# KiCad board pcb.kicad_pcb (continued)
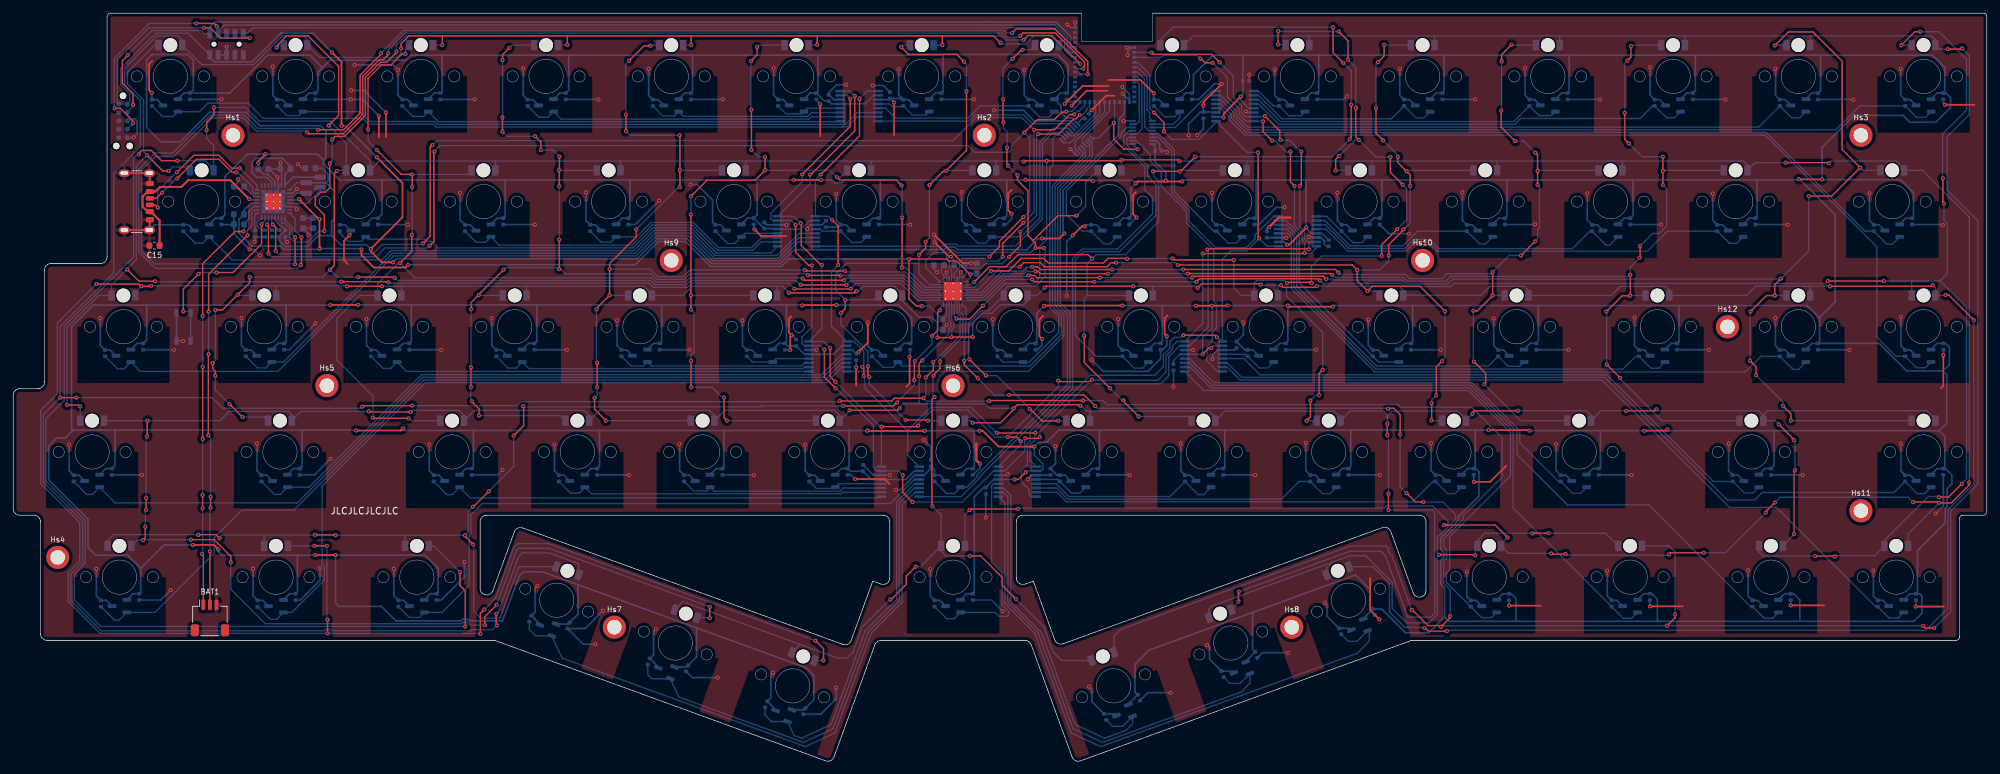
[diagram p0: board, top side]
## Routing (per net, layer and track width the routed paths; a pad name or vN(x,y) marks a point on that pad's centre or on a via; arc(x,y) is an arc through that point) (continued)
VCCS: length 2246
  Top w0.2: v1(181.79,62.64) 181.41,62.64 v1(180.47,61.7) ; v1(151.92,42.7) 152.53,42.7 153.61,43.79 v1(153.61,43.81)
  Top w0.25: v1(163.85,88.01) 163.74,88.12 153.67,88.12 v1(153.58,88.21) ; v1(122.55,88.16) 122.54,88.17 v1(118.42,88.17) ; v1(146.61,50.09) 147.12,50.09 149.52,47.69 v1(154.93,47.69) ; v1(129.58,50.11) 129.61,50.08 v1(138.31,50.08) ; v1(177.36,87.93) 174.92,87.93 174.88,87.97 v1(174.88,88.06) 174.75,87.93 170.61,87.93 v1(170.33,87.65) ; v1(156.4,69.03) 156.48,69.11 v1(168.3,69.11) ; v1(223.84,50.2) 229.99,50.2 v1(230.07,50.12) ; v1(124.93,69.18) 119.76,69.18 v1(119.71,69.13) ; v1(48.11,69.17) 48.14,69.2 v1(52.34,69.2) ; v1(196.2,80.96) 196.2,80.95 193.58,78.33 v1(193.28,78.33) ; v1(179.46,69.08) v1(181.92,69.08) 184.23,69.08 v1(184.26,69.11) ; v1(247.48,50.08) 247.52,50.12 250.83,50.12 v1(251,50.29) ; v1(193.39,69.11) 193.56,68.93 v1(200.22,68.93) ; v1(45.84,31.23) 48.9,31.23 v1(48.92,31.25) ; v1(59.16,50.43) 58.87,50.14 v1(52.03,50.14) ; v1(186.25,100.82) 183.65,98.22 v1(183.65,97.65) ; v1(31.14,32.08) 30.46,32.76 27.26,32.76 v1(27.26,32.76) ; v1(37.18,90.73) 37.18,90.98 v1(38.28,92.08) ; v1(274.46,88.25) 270.96,88.25 v1(270.92,88.29)
  Bottom w0.2: v1(153.61,43.81) 153.81,44 MUXB8.2 155.95,44 156.25,44.31 156.25,45.07 154.92,46.4 154.92,47.68 v1(154.93,47.69) ; MUXB2.2 120.84,82 119.54,80.7 MUXB2.13 ; MUXB7.2 182.16,63 v1(181.79,62.64) ; v1(181.92,69.08) 181.92,65.71 180.47,64.26 v1(180.47,61.7) MUXB7.13 177,61.7 176.04,60.74 C19.2 ; MUXB1.2 130.56,101 129.26,99.7 MUXB1.13 ; MUXB8.13 v1(151.92,42.7)
  Bottom w0.25: v1(122.55,88.16) 124.22,88.16 124.66,87.72 125.68,87.72 126.12,88.16 131.57,88.16 ; TMR28.1 263.42,82.36 Cvcc28.1 264.58,82.59 264.58,88.17 ; 47.08,91.18 47.44,91.53 47.44,95.62 46.65,96.41 37.41,96.41 35.39,98.43 29.79,98.43 25.32,93.96 22.39,93.96 20.25,96.1 20.25,106.42 21.03,107.2 26.47,107.2 27.33,106.35 27.33,101.84 Cvcc1.1 ; 47.08,91.18 47.08,90.62 49.53,88.17 55.94,88.17 ; 47.08,91.18 46.18,92.08 v1(38.28,92.08) 35.54,92.08 32.11,88.65 32.11,82.87 Cvcc16.1 30.67,82.36 TMR16.1 ; 145.77,50.11 146.59,50.11 v1(146.61,50.09) ; 145.77,50.11 145.83,50.05 145.83,44.59 Cvcc51.1 144.67,44.36 TMR51.1 ; 145.77,50.11 138.34,50.11 v1(138.31,50.08) ; TMR21.1 130.42,82.36 Cvcc21.1 131.58,82.59 131.58,88.15 131.57,88.16 ; TMR1.1 25.92,101.36 Cvcc1.1 ; TMR33.1 78.17,63.36 Cvcc33.1 79.46,63.72 79.46,69.2 ; 9.06,50.2 15.45,50.2 ; 9.06,50.2 9.06,50.16 7.91,49.01 6.59,49.01 5.39,47.81 5.39,42.66 11.36,36.69 11.36,32.37 12.52,31.2 17.36,31.2 19.35,29.22 ; 9.06,50.2 8.85,50.41 8.85,65.9 12.12,69.17 20.26,69.17 ; 15.45,50.2 15.45,44.83 Cvcc45.1 14.04,44.36 TMR45.1 ; 15.45,50.2 43.83,50.2 ; 85.7,26.72 103.71,20.17 ; 85.7,26.72 85.7,26.72 85.7,22.25 Cvcc62.1 84.2,20.75 TMR62.1 ; 85.7,26.72 83.41,27.56 ; 103.71,20.17 120.34,14.12 121.48,12.98 121.48,9.25 Cvcc64.1 119.97,7.75 TMR64.1 ; 103.71,20.17 103.68,20.14 103.68,15.75 Cvcc63.1 102.17,14.25 TMR63.1 ; Cvcc72.1 288.93,25.59 288.93,31.89 293.12,36.08 293.12,38.28 293.43,38.58 293.43,41.34 294.14,42.05 294.14,43.38 293.16,44.36 Cvcc58.1 ; Cvcc72.1 289.26,25.36 289.56,25.06 289.59,25.06 289.59,22.39 288.38,21.18 271.1,21.18 ; Cvcc72.1 287.77,25.36 TMR72.1 ; 74.64,88.17 93.58,88.17 ; 74.64,88.17 55.94,88.17 ; 74.64,88.17 74.64,82.65 Cvcc18.1 73.42,82.36 TMR18.1 ; 93.58,88.17 93.58,82.59 Cvcc19.1 92.42,82.36 TMR19.1 ; 93.58,88.17 112.88,88.17 ; 117.31,69.2 117.33,69.19 117.33,63.59 Cvcc35.1 ; 117.31,69.2 98.39,69.2 ; 117.31,69.2 119.64,69.2 v1(119.71,69.13) ; 41.41,69.17 41.41,63.67 Cvcc31.1 40.17,63.36 TMR31.1 ; 41.41,69.17 v1(48.11,69.17) ; 41.41,69.17 20.26,69.17 ; 126.82,50.14 129.55,50.14 v1(129.58,50.11) ; 126.82,50.14 126.83,50.13 126.83,44.59 Cvcc50.1 ; 126.82,50.14 107.83,50.14 ; TMR12.1 234.92,101.36 Cvcc12.1 236.08,101.59 236.08,107.04 236.01,107.11 ; TMR7.1 139.92,101.36 Cvcc7.1 141.08,101.59 141.08,107.08 ; v1(156.4,69.03) 155.33,67.96 155.33,63.59 Cvcc37.1 154.17,63.36 TMR37.1 ; Cvcc35.1 117.49,62.97 C4.2 120.03,61.7 MUXB3.13 124.47,61.7 125.77,63 MUXB3.2 ; Cvcc35.1 116.17,63.36 TMR35.1 ; TMR70.1 247.39,25.36 Cvcc70.1 248.63,25.36 249.46,24.53 249.46,21.18 ; MUXB5.13 187.48,99.05 186.25,100.28 v1(186.25,100.82) 186.57,101.14 C17.2 186.57,107.08 186.6,107.11 ; 274.23,107.11 291.19,107.11 293.08,105.22 293.08,101.59 Cvcc15.1 ; 274.23,107.11 274.23,101.74 Cvcc14.1 272.92,101.36 TMR14.1 ; 274.23,107.11 255.23,107.11 ; Cvcc58.1 293.08,44.59 293.08,49.24 292.21,50.11 ; Cvcc58.1 291.92,44.36 TMR58.1 ; 217.18,21.84 217.19,21.85 217.19,22.53 217.18,22.54 217.18,26.2 216.6,26.78 216.6,30.44 217.06,30.9 217.06,31.64 216.6,32.1 216.6,33.84 219.28,36.52 219.28,37.08 222.4,40.19 222.4,43.87 221.91,44.36 Cvcc55.1 ; 217.18,21.84 217.84,21.18 228.01,21.18 ; 217.18,21.84 214.78,19.44 211.26,19.44 207.66,23.04 Cvcc68.1 ; 217.09,107.11 217.09,101.6 Cvcc11.1 215.92,101.36 TMR11.1 ; 217.09,107.11 236.01,107.11 ; 217.09,107.11 198.06,107.11 ; Cvcc55.1 221.83,44.59 221.83,50.19 221.82,50.2 ; Cvcc55.1 220.67,44.36 TMR55.1 ; 267.18,50.11 267.18,44.81 Cvcc57.1 265.79,44.36 TMR57.1 ; 267.18,50.11 251.18,50.11 v1(251,50.29) ; 267.18,50.11 292.21,50.11 ; Cvcc15.1 291.92,101.36 TMR15.1 ; Cvcc15.1 292.94,101.45 293.17,101.45 293.95,100.67 293.95,99.16 291.72,96.93 287.78,96.93 286.74,97.97 279.32,97.97 274.46,93.11 v1(274.46,88.25) 274.51,88.2 286.34,88.2 288.33,86.22 288.33,82.59 Cvcc29.1 287.17,82.36 TMR29.1 ; 55.94,88.17 55.95,88.16 55.95,82.96 Cvcc17.1 54.42,82.36 TMR17.1 ; 228.01,21.18 249.46,21.18 ; 228.01,21.18 228.01,24.61 227.26,25.36 Cvcc69.1 226.02,25.36 TMR69.1 ; 196.17,88.17 188.51,88.17 ; 196.17,88.17 207.66,88.17 ; 196.17,88.17 196.16,88.16 196.16,81 v1(196.2,80.96) 196.2,80.83 196.98,80.05 MUXB6.13 198.57,80.05 C18.2 ; 188.51,88.17 177.6,88.17 v1(177.36,87.93) ; 188.51,88.17 188.58,88.1 188.58,82.59 Cvcc24.1 187.42,82.36 TMR24.1 ; 65.07,107.11 84.29,107.11 ; 65.07,107.11 60.27,107.11 59.49,106.33 52.32,106.33 52.32,106.32 50.04,106.32 50.04,106.33 48.04,106.33 46.92,105.21 ; 65.07,107.11 65.08,107.1 65.08,101.59 Cvcc3.1 63.92,101.36 TMR3.1 ; 84.29,107.11 103.02,107.11 ; 84.29,107.11 84.29,101.8 Cvcc4.1 82.92,101.36 TMR4.1 ; 174.36,69.11 174.36,63.62 Cvcc38.1 173.17,63.36 TMR38.1 ; 174.36,69.11 179.43,69.11 v1(179.46,69.08) ; 174.36,69.11 v1(168.3,69.11) ; 236.01,107.11 255.23,107.11 ; 19.35,29.22 22.9,32.76 v1(27.26,32.76) ; 19.35,29.22 19.35,25.59 Cvcc59.1 18.19,25.36 TMR59.1 ; TMR43.1 272.92,63.36 Cvcc43.1 ; TMR6.1 120.92,101.36 Cvcc6.1 ; Cvcc6.1 121.86,101.36 123.07,100.15 C2.2 124.17,99.7 MUXB1.13 ; Cvcc6.1 122.11,101.62 122.11,107.11 ; TMR47.1 68.67,44.36 Cvcc47.1 69.83,44.59 69.83,50.12 69.81,50.14 ; 249.46,21.18 271.1,21.18 ; TMR40.1 211.17,63.36 Cvcc40.1 212.33,63.59 212.33,69.07 212.29,69.11 ; 186.6,107.11 198.06,107.11 ; 186.6,107.11 182.07,107.11 180.32,105.36 180.31,105.36 179.45,104.49 179.45,104.49 179.08,104.12 179.08,101.59 Cvcc9.1 177.92,101.36 TMR9.1 ; 112.88,88.17 112.88,82.89 Cvcc20.1 ; 112.88,88.17 v1(118.42,88.17) ; TMR26.1 225.42,82.36 Cvcc26.1 226.64,82.65 226.64,88.17 ; 207.66,88.17 207.66,82.67 Cvcc25.1 206.42,82.36 TMR25.1 ; 207.66,88.17 226.64,88.17 ; 103.02,107.11 103.08,107.05 103.08,101.59 Cvcc5.1 101.92,101.36 TMR5.1 ; 103.02,107.11 122.11,107.11 ; 69.81,50.14 59.45,50.14 v1(59.16,50.43) ; 69.81,50.14 88.96,50.14 ; 274.03,67.26 276.44,69.67 276.44,82.88 271.03,88.29 v1(270.92,88.29) 270.8,88.17 264.58,88.17 ; 274.03,67.26 274.08,67.22 274.08,63.59 Cvcc43.1 ; 274.03,67.26 272.19,69.11 252.74,69.11 ; 292.8,59.18 293.77,60.15 293.77,62.8 293.21,63.36 Cvcc44.1 291.92,63.36 TMR44.1 ; 292.8,59.18 293.37,58.61 293.37,51.26 292.21,50.11 ; 292.8,59.18 287.29,59.18 283.11,63.36 Cvcc43.1 ; Cvcc1.1 32.86,101.36 38.61,107.11 45.02,107.11 46.92,105.21 ; v1(247.48,50.08) 247.45,50.12 240.68,50.12 ; 255.23,107.11 255.23,101.74 Cvcc13.1 253.92,101.36 TMR13.1 ; TMR66.1 169.2,8.61 Cvcc66.1 170.21,10.46 170.21,14.66 172.36,16.81 188.09,22.54 ; v1(163.85,88.01) 163.95,88.11 169.87,88.11 v1(170.33,87.65) 169.58,86.9 169.58,82.59 Cvcc23.1 168.42,82.36 TMR23.1 ; v1(154.93,47.69) 155.6,48.36 156.8,48.36 158.64,50.2 164.76,50.2 ; 183.82,50.2 202.95,50.2 ; 183.82,50.2 183.83,50.19 183.83,44.59 Cvcc53.1 182.67,44.36 TMR53.1 ; 183.82,50.2 164.76,50.2 ; 202.95,50.2 221.82,50.2 ; 202.95,50.2 202.95,44.71 Cvcc54.1 201.67,44.36 TMR54.1 ; 60.41,69.2 79.46,69.2 ; 60.41,69.2 60.41,63.67 Cvcc32.1 59.17,63.36 TMR32.1 ; 60.41,69.2 v1(52.34,69.2) ; 79.46,69.2 98.39,69.2 ; TMR34.1 97.17,63.36 Cvcc34.1 98.39,63.65 98.39,69.2 ; 212.29,69.11 231.41,69.11 ; 212.29,69.11 200.39,69.11 v1(200.22,68.93) ; 231.41,69.11 231.41,63.67 Cvcc41.1 230.17,63.36 TMR41.1 ; 231.41,69.11 252.74,69.11 ; 131.57,88.16 150.76,88.16 ; 198.06,107.11 198.08,107.09 198.08,101.59 Cvcc10.1 196.92,101.36 TMR10.1 ; TMR52.1 163.67,44.36 Cvcc52.1 164.83,44.59 164.83,50.13 164.76,50.2 ; 88.96,50.14 88.96,44.72 Cvcc48.1 87.67,44.36 TMR48.1 ; 88.96,50.14 107.83,50.14 ; 271.1,21.18 271.08,21.2 271.08,24.41 270.13,25.36 Cvcc71.1 268.77,25.36 TMR71.1 ; 245.77,88.17 245.77,82.78 Cvcc27.1 244.42,82.36 TMR27.1 ; 245.77,88.17 226.64,88.17 ; 245.77,88.17 264.58,88.17 ; 43.13,31.2 45.81,31.2 v1(45.84,31.23) ; 43.13,31.2 43.13,25.61 Cvcc60.1 41.94,25.36 TMR60.1 ; 43.13,31.2 31.65,31.2 31.14,31.71 v1(31.14,32.08) ; MUXB6.2 192.85,78.75 v1(193.28,78.33) ; 252.74,69.11 252.74,63.62 Cvcc42.1 251.54,63.36 TMR42.1 ; 141.08,107.08 141.05,107.11 122.11,107.11 ; 141.08,107.08 141.2,107.2 158.46,107.2 160.08,105.58 160.08,101.59 Cvcc8.1 158.92,101.36 TMR8.1 158.98,99.44 158.98,98.39 159.79,97.58 160.62,97.58 MUXA1.16 161.53,96.8 162.25,97.52 C1.2 ; 221.82,50.2 v1(223.84,50.2) ; v1(183.65,97.65) 183.55,97.75 MUXB5.2 ; 43.83,50.2 43.83,44.71 Cvcc46.1 42.54,44.36 TMR46.1 ; 43.83,50.2 51.97,50.2 v1(52.03,50.14) ; MUXB8.13 148.78,42.7 C20.2 147.25,41.49 145.83,40.07 145.83,25.59 Cvcc65.1 144.67,25.36 TMR65.1 ; v1(124.93,69.18) 134.36,69.18 136.33,67.22 136.33,63.59 Cvcc36.1 135.17,63.36 TMR36.1 ; TMR49.1 106.67,44.36 Cvcc49.1 107.83,44.59 107.83,50.14 ; TMR61.1 63.32,25.36 Cvcc61.1 64.48,25.59 64.48,29.22 62.49,31.2 48.97,31.2 v1(48.92,31.25) 48.92,23.96 49.44,23.44 55.87,23.44 58.07,21.24 67.92,21.24 68.14,21.46 69.04,21.46 69.26,21.24 74.23,21.24 76.79,28.07 77.41,28.69 80.29,28.69 83.44,27.55 ; TMR30.1 18.79,63.36 Cvcc30.1 20.26,63.89 20.26,69.17 ; TMR68.1 204.85,21.61 Cvcc68.1 ; TMR2.1 44.92,101.36 Cvcc2.1 46.25,101.76 46.25,104.54 46.92,105.21 ; v1(153.58,88.21) 153.53,88.16 150.76,88.16 ; v1(184.26,69.11) v1(193.39,69.11) 193.39,63.65 Cvcc39.1 192.17,63.36 TMR39.1 ; 188.09,22.54 203.64,28.2 203.68,28.2 205.89,25.99 205.89,23.43 Cvcc68.1 ; 188.09,22.54 188.04,22.49 188.04,16.93 Cvcc67.1 187,15.11 TMR67.1 ; TMR56.1 239.67,44.36 Cvcc56.1 240.83,44.59 240.83,49.97 240.68,50.12 ; MUXB2.13 115.9,80.79 C3.2 113.93,80.79 112.36,82.36 Cvcc20.1 ; 240.68,50.12 v1(230.07,50.12) ; v1(174.88,88.06) 174.88,89.28 173.26,90.9 C16.2 173.26,93.22 MUXA2.16 ; 150.76,88.16 150.76,82.77 Cvcc22.1 149.42,82.36 TMR22.1 ; Cvcc50.1 125.67,44.36 TMR50.1 ; Cvcc50.1 126.68,44.36 127.08,43.96 C5.2 130.21,42.7 MUXB4.13 135.44,42.7 136.74,44 MUXB4.2 ; Cvcc20.1 111.42,82.36 TMR20.1 ; v1(37.18,90.73) 37.17,90.73 C23.1 37.97,89.02 38.62,89.02 39.73,87.92 PMIC1.29
/AIN0: length 8.4
  Bottom w0.2: M1.23 166.35,98.64 162.19,94.48 162.19,93.89 MUXA1.4
/AIN1: length 9.6
  Bottom w0.2: MUXA1.7 161.13,92.83 161.13,93.98 165.6,98.45 M1.22
/AIN2: length 9.5
  Bottom w0.2: M1.21 164.85,98.27 160.39,93.81 159.45,93.81 MUXA1.9
/AIN3: length 7.5
  Bottom w0.2: MUXA1.12 160.51,94.87 160.89,94.87 164.24,98.22 164.24,98.97 164.1,99.11 M1.20
/AIN4: length 9.6
  Bottom w0.2: MUXA2.9 172.42,97.56 172.42,98.43 172.04,98.82 172.04,103.84 170.6,105.28 M1.35
/AIN5: length 10.7
  Bottom w0.2: M1.34 170.6,104.53 171.64,103.49 171.64,98.68 171.67,98.65 171.67,96.25 172.29,95.63 MUXA2.12
/AIN6: length 10.4
  Bottom w0.2: M1.33 170.6,103.78 171.24,103.14 171.24,98.51 171.27,98.48 171.27,95.89 170.51,95.13 MUXA2.4
/AIN7: length 7.8
  Bottom w0.2: M1.32 170.6,103.03 170.84,102.79 170.84,98.35 170.87,98.32 170.87,97.09 170.41,96.63 MUXA2.7
/ANA_01: length 113.8
  Bottom w0.2: Cvout1.1 22.65,97.8 24.26,97.8 TMR1.2 28.27,98.53 29.57,99.83 35.62,99.83 37.94,97.51 53.04,97.51 53.92,96.63 63.75,96.63 64.19,96.2 125.71,96.2 125.72,96.2 126.46,96.2 128.01,97.75 MUXB1.7
/ANA_02: length 93.6
  Bottom w0.2: Cvout2.1 41.52,97.93 43.39,97.93 TMR2.2 52.59,98.53 54.09,97.03 63.92,97.03 64.35,96.6 125.55,96.6 125.55,96.6 126.29,96.6 128.09,98.4 MUXB1.6
/ANA_03: length 68.1
  Bottom w0.2: MUXB1.9 125.38,97 64.52,97 TMR3.2 62.27,97.81 60.64,97.81 Cvout3.1
/ANA_04: length 49.1
  Bottom w0.2: Cvout4.1 79.77,97.68 81.14,97.68 TMR4.2 83.12,97.4 120.73,97.4 121.08,97.75 MUXB1.10
/ANA_05: length 29.9
  Bottom w0.2: Cvout5.1 98.57,97.88 100.35,97.88 100.99,98.52 TMR5.2 101.71,97.81 120.57,97.81 121.17,98.4 MUXB1.11
/ANA_06: length 10.3
  Bottom w0.2: MUXB1.12 120.51,99.05 TMR6.2 119.68,98.22 117.21,98.22 116.05,99.38 Cvout6.1
/ANA_07: length 8.8
  Bottom w0.2: TMR7.2 138.46,98 136.45,98 Cvout7.1 134.74,99.4 134.63,99.29 133.37,99.29 132.96,99.7 MUXB1.4
/ANA_08: length 29.2
  Bottom w0.2: TMR8.2 157.16,97.7 155.74,97.7 154.05,99.39 Cvout8.1 146.72,99.4 144.88,97.56 133.87,97.56 132.38,99.05 MUXB1.5
/ANA_09: length 10.4
  Bottom w0.2: MUXA2.10 176.01,96.63 176.99,97.61 TMR9.2 176.22,97.76 174.69,97.76 Cvout9.1
/ANA_10: length 9.6
  Bottom w0.2: MUXB5.9 188.95,101.65 191.2,99.4 Cvout10.1 193.54,97.91 195.37,97.91 TMR10.2
/ANA_11: length 30.2
  Bottom w0.2: MUXB5.10 188.95,101 192.5,97.45 209.1,97.45 Cvout11.1 212.87,97.58 214.04,97.58 TMR11.2
/ANA_12: length 49
  Bottom w0.2: TMR12.2 233.39,97.93 231.52,97.93 Cvout12.1 227.67,97.02 192.28,97.02 188.95,100.35 MUXB5.11
/ANA_13: length 68.3
  Bottom w0.2: MUXB5.12 188.95,99.7 192.03,96.62 227.84,96.62 228.72,97.5 246.84,97.5 248.74,99.4 Cvout13.1 250.84,97.61 252.07,97.61 TMR13.2
/ANA_14: length 94.4
  Bottom w0.2: TMR14.2 271.07,97.61 269.84,97.61 Cvout14.1 264.83,96.18 187.37,96.18 185.58,97.97 185.58,98.65 183.22,101 MUXB5.7
/ANA_15: length 113.3
  Bottom w0.2: TMR15.2 290.15,97.69 288.76,97.69 Cvout15.1 280.15,99.4 276.53,95.78 187.2,95.78 185.18,97.8 185.18,98.4 183.22,100.35 MUXB5.6
/ANA_16: length 103.3
  Bottom w0.2: MUXB2.5 119.24,80.05 115.89,76.7 106.51,76.7 102.69,80.52 97.26,80.52 94.18,77.44 57.36,77.44 55.96,76.04 33.23,76.04 TMR16.2 28.79,78.58 27.62,78.58 Cvout16.1
/ANA_17: length 71.5
  Bottom w0.2: MUXB2.9 114.98,77.1 106.68,77.1 102.86,80.92 97.09,80.92 94.03,77.86 64.45,77.86 63.46,78.85 62.77,78.85 62.44,79.18 53.84,79.18 TMR17.2 52.8,78.84 50.83,78.84 49.55,80.12 Cvout17.1
/ANA_18: length 52.4
  Bottom w0.2: MUXB2.10 113.46,78.75 112.21,77.5 106.84,77.5 103.02,81.32 96.93,81.32 93.87,78.26 73.76,78.26 TMR18.2 71.68,78.72 70.23,78.72 Cvout18.1
/ANA_19: length 32.6
  Bottom w0.2: Cvout19.1 89.21,78.74 90.7,78.74 TMR19.2 94.57,79.53 96.76,81.72 103.19,81.72 107.01,77.9 112.04,77.9 113.55,79.4 MUXB2.11
/ANA_20: length 10.9
  Bottom w0.2: MUXB2.12 111.01,80.05 TMR20.2 109.48,78.52 108.43,78.52 Cvout20.1
/ANA_21: length 8.8
  Bottom w0.2: 125.35,80.4 122.75,80.4 122.45,80.7 MUXB2.4 ; Cvout21.1 127.27,78.68 128.64,78.68 TMR21.2
/ANA_22: length 30.8
  Bottom w0.2: Cvout22.1 146.35,78.6 147.54,78.6 148.47,79.53 TMR22.2 152.91,79.53 155.77,82.39 155.77,93.94 157.84,96.01 160.07,96.01 MUXA1.13
/ANA_23: length 27.9
  Bottom w0.2: MUXA2.6 168.97,96.13 168.12,95.28 168.12,94.81 159.79,86.48 159.79,82.93 162.32,80.4 Cvout23.1 165.49,78.46 166.42,78.46 TMR23.2
/ANA_24: length 24.6
  Bottom w0.2: TMR24.2 185.53,78.57 184.38,78.57 Cvout24.1 182.15,80.4 176.19,86.36 176.19,92.75 173.81,95.13 MUXA2.13
/ANA_25: length 9.8
  Bottom w0.2: TMR25.2 204.61,78.65 203.3,78.65 Cvout25.1 199.29,82.65 MUXB6.9
/ANA_26: length 30.5
  Bottom w0.2: MUXB6.10 199.01,82 202.84,78.17 210.84,78.17 213.07,80.4 Cvout26.1 222.49,78.46 223.42,78.46 TMR26.2
/ANA_27: length 50.9
  Bottom w0.2: MUXB6.11 199.09,81.35 202.68,77.77 211.13,77.77 212.5,79.14 214.92,79.14 216.31,77.75 236.59,77.75 239.24,80.4 Cvout27.1 241.68,78.27 242.23,78.27 TMR27.2
/ANA_28: length 69.7
  Bottom w0.2: MUXB6.12 199.18,80.7 202.51,77.37 211.3,77.37 212.67,78.74 214.75,78.74 216.14,77.35 247.95,77.35 251,80.4 Cvout28.1 260.4,78.55 261.51,78.55 TMR28.2
/ANA_29: length 113.3
  Bottom w0.2: TMR29.2 285.12,78.41 284.29,78.41 Cvout29.1 280.94,80.4 265.96,95.38 187.04,95.38 184.78,97.64 184.78,98.15 183.22,99.7 MUXB5.5
/ANA_30: length 120.9
  Bottom w0.2: MUXB2.7 119.08,78.75 116.22,75.9 106.18,75.9 102.39,79.69 97.56,79.69 94.51,76.64 63.56,76.64 57.69,76.64 40.17,59.12 19.27,59.12 TMR30.2 16.83,59.5 15.82,59.5 Cvout30.1
/ANA_31: length 98.5
  Bottom w0.2: MUXB2.6 119.16,79.4 116.06,76.3 106.35,76.3 102.55,80.09 97.4,80.09 94.34,77.04 63.39,77.04 57.52,77.04 41.01,60.53 TMR31.2 38.35,59.64 37.06,59.64 Cvout31.1
/ANA_32: length 68.2
  Bottom w0.2: Cvout32.1 56.15,59.55 57.26,59.55 TMR32.2 59.66,59.1 MUXB3.9
/ANA_33: length 49.1
  Bottom w0.2: MUXB3.10 120,59.75 119.77,59.53 78.24,59.53 TMR33.2 76.32,59.61 75.09,59.61 Cvout33.1
/ANA_34: length 29.7
  Bottom w0.2: MUXB3.11 120.05,60.4 119.58,59.93 96.84,59.93 TMR34.2 95.66,59.95 93.75,59.95 Cvout34.1
/ANA_35: length 10
  Bottom w0.2: Cvout35.1 112.17,60.53 TMR35.2 115.76,61.05 MUXB3.12
/ANA_36: length 62.7
  Bottom w0.2: MUXA1.6 162.28,92.39 162.28,91.89 157.68,87.29 157.68,68.97 159.03,67.62 159.03,64.68 154.28,59.93 134.84,59.93 TMR36.2 133.42,59.71 131.99,59.71 Cvout36.1
/ANA_37: length 43.8
  Bottom w0.2: Cvout37.1 150.17,60.53 TMR37.2 154.17,60.53 158.63,64.99 158.63,67.45 157.28,68.8 157.28,89.95 157.74,90.41 157.74,94.47 158.22,94.95 159.01,94.95 MUXA1.10
/ANA_38: length 54.4
  Bottom w0.2: TMR38.2 171.32,59.61 170.09,59.61 Cvout38.1 164.31,61.4 161.16,64.55 161.16,76.08 162.36,77.28 167.87,77.28 173.38,82.79 173.38,87.47 172.13,88.72 172.13,90.29 168.97,93.45 168.97,94.31 169.29,94.63 MUXA2.3
/ANA_39: length 9
  Bottom w0.2: TMR39.2 190.34,59.63 189.07,59.63 Cvout39.1 187,61.7 MUXB7.4
/ANA_40: length 31.5
  Bottom w0.2: MUXB6.7 193.1,82 195.13,79.98 195.13,72.57 Cvout40.1 207.17,60.53 TMR40.2
/ANA_41: length 52.2
  Bottom w0.2: MUXB6.6 193.19,81.35 194.73,79.81 194.73,72.03 206.83,59.93 223.83,59.93 Cvout41.1 226.82,59.88 228.59,59.88 TMR41.2
/ANA_42: length 73.9
  Bottom w0.2: MUXB6.5 193.27,80.7 194.33,79.64 194.33,71.87 206.74,59.46 244.24,59.46 246.18,61.4 Cvout42.1 248.5,59.58 249.66,59.58 TMR42.2
/ANA_43: length 95.5
  Bottom w0.2: MUXB6.4 193.35,80.05 193.93,79.48 193.93,71.7 206.6,59.03 262.81,59.03 265.18,61.4 Cvout43.1 270.04,59.41 270.87,59.41 TMR43.2
/ANA_44: length 133.5
  Bottom w0.2: TMR44.2 290.12,59.66 288.79,59.66 Cvout44.1 285.67,61.4 282.77,64.3 282.77,78 265.8,94.97 265.31,94.97 265.3,94.98 186.87,94.98 184.38,97.47 184.38,97.9 183.22,99.05 MUXB5.4
/ANA_45: length 128.6
  Bottom w0.2: MUXB3.5 125.73,61.05 122.88,58.21 121.72,58.21 121.71,58.2 119.77,58.2 119.76,58.21 62.16,58.21 43.1,39.15 15.49,39.15 TMR45.2 12.01,40.43 11.14,40.43 Cvout45.1
/ANA_46: length 98.4
  Bottom w0.2: MUXB3.4 125.73,61.7 122.63,58.61 121.55,58.61 121.54,58.6 119.93,58.6 119.93,58.61 61.97,58.61 44.89,41.53 TMR46.2 40.52,40.44 39.63,40.44 Cvout46.1
/ANA_47: length 70
  Bottom w0.2: MUXB4.9 131.54,39.9 69.36,39.9 TMR47.2 66.61,40.4 65.8,40.4 Cvout47.1
/ANA_48: length 50.6
  Bottom w0.2: Cvout48.1 84.57,40.63 85.86,40.63 86.74,41.51 TMR48.2 87.74,40.53 125.61,40.53 125.83,40.75 MUXB4.10
/ANA_49: length 31.2
  Bottom w0.2: MUXB4.11 125.92,41.4 125.44,40.93 106.34,40.93 TMR49.2 105.74,41.51 105.19,40.96 103.24,40.96 Cvout49.1
/ANA_50: length 11.7
  Bottom w0.2: Cvout50.1 121.86,41.34 124.57,41.34 124.74,41.51 TMR50.2 125.26,42.05 MUXB4.12
/ANA_51: length 67.4
  Bottom w0.2: Cvout51.1 141.62,40.58 142.79,40.58 TMR51.2 144.67,41.53 146.21,43.07 146.21,43.34 159.94,57.07 159.94,67.84 158.48,69.3 158.48,86.95 163.34,91.81 163.34,93.45 MUXA1.3
/ANA_52: length 8.8
  Bottom w0.2: TMR52.2 161.84,40.63 160.57,40.63 Cvout52.1 158.5,42.7 MUXB8.4
/ANA_53: length 29.6
  Bottom w0.2: MUXB8.5 158.21,42.05 160.14,40.12 175.52,40.12 Cvout53.1 179.79,40.41 180.62,40.41 TMR53.2
/ANA_54: length 48.5
  Bottom w0.2: TMR54.2 199.77,40.56 198.64,40.56 Cvout54.1 195.1,42.4 192.42,39.72 159.98,39.72 158.29,41.4 MUXB8.6
/ANA_55: length 67.6
  Bottom w0.2: TMR55.2 218.78,40.57 217.63,40.57 Cvout55.1 215.44,42.4 212.36,39.32 159.81,39.32 158.38,40.75 MUXB8.7
/ANA_56: length 70.9
  Bottom w0.2: MUXB7.12 178.47,61.05 182.13,57.4 221.3,57.4 228.58,50.12 228.58,48.3 234.48,42.4 Cvout56.1 236.6,40.6 237.81,40.6 TMR56.2
/ANA_57: length 90.2
  Bottom w0.2: MUXB7.5 186.71,61.05 189.16,58.6 241.77,58.6 257.97,42.4 Cvout57.1 262.67,40.66 263.99,40.66 TMR57.2
/ANA_58: length 118.5
  Bottom w0.2: MUXB7.6 184.2,60.4 186.4,58.2 241.48,58.2 260.08,39.6 264.24,39.6 265.37,40.73 285.38,40.73 Cvout58.1 288.89,40.56 290.02,40.56 TMR58.2
/ANA_59: length 131.5
  Bottom w0.2: Cvout59.1 15.37,21.36 16.09,21.36 TMR59.2 21.51,22.53 30.49,31.51 30.49,33.85 34.67,38.03 42.58,38.03 62.36,57.81 119.59,57.81 119.6,57.8 121.88,57.8 121.88,57.81 123.13,57.81 125.73,60.4 MUXB3.6
/ANA_60: length 114.9
  Bottom w0.2: Cvout60.1 39,21.48 39.96,21.48 TMR60.2 42.29,22.53 47.21,27.45 47.21,29.56 46.88,29.89 46.88,41.73 62.56,57.41 119.43,57.41 119.43,57.4 122.04,57.4 122.05,57.41 123.38,57.41 125.73,59.75 MUXB3.7
/ANA_61: length 94.5
  Bottom w0.2: Cvout61.1 60.09,21.76 61.62,21.76 TMR61.2 65.07,22.53 69.18,26.64 69.18,34.3 69.43,34.55 69.43,37.32 71.15,39.04 133.06,39.04 136.73,42.7 MUXB4.4
/ANA_62: length 93.8
  Bottom w0.2: Cvout62.1 78.31,19.95 79.3,18.96 TMR62.2 83.29,15.59 120.21,2.15 124.7,4.24 130.21,19.38 134.88,24.05 134.88,38.83 136.81,40.75 MUXB4.7
/ANA_63: length 74.5
  Bottom w0.2: MUXB4.6 136.73,41.4 134.45,39.13 134.45,24.24 129.71,19.5 129.71,19.48 124.4,4.88 119.91,2.79 100.99,9.68 TMR63.2 96.92,12.46 96.29,13.09 Cvout63.1
/ANA_64: length 54.8
  Bottom w0.2: Cvout64.1 114.09,6.94 115.11,5.92 115.15,5.96 TMR64.2 118.48,3.85 119.61,3.43 124.1,5.53 129.26,19.7 134.05,24.49 134.05,39.32 136.78,42.05 MUXB4.5
/ANA_65: length 34.5
  Bottom w0.2: Cvout65.1 141.62,21.58 142.79,21.58 TMR65.2 148.97,22.53 149.57,21.93 150.77,21.93 151.02,22.18 151.02,22.69 150.04,23.67 150.04,24.21 150.05,24.22 150.05,28.56 148.45,30.16 148.45,41.75 148.75,42.05 MUXB8.12
/ANA_66: length 55.9
  Bottom w0.2: MUXB8.11 150.22,41.4 151.37,40.26 151.37,24.12 156.03,19.46 161.1,5.53 165.59,3.43 168.86,4.63 168.88,4.63 169.85,5.6 TMR66.2 168.34,5.23 166.83,5.23 Cvout66.1
/ANA_67: length 75.5
  Bottom w0.2: Cvout67.1 184.61,11.75 186.21,11.75 186.21,11.8 TMR67.2 187.65,11.79 186.35,10.49 186.35,10.46 165.29,2.79 160.8,4.88 155.51,19.41 150.92,24 150.92,40.06 150.22,40.75 MUXB8.10
/ANA_68: length 94.9
  Bottom w0.2: MUXB8.9 150.46,39.13 150.46,23.9 155,19.35 160.5,4.24 164.99,2.15 203.9,16.32 205.77,18.18 205.77,19.47 TMR68.2 203.92,18.16 202.55,18.16 Cvout68.1
/ANA_69: length 90.2
  Bottom w0.2: MUXB7.9 180.64,56.2 220.8,56.2 227.17,49.83 227.17,43.24 217.95,34.02 217.95,29.01 217.42,28.48 217.42,27.13 Cvout69.1 222.81,21.74 224.3,21.74 TMR69.2
/ANA_70: length 91.7
  Bottom w0.2: TMR70.2 245.56,21.63 244.29,21.63 Cvout70.1 242.55,23.4 227.57,38.37 227.57,49.99 220.97,56.6 181.71,56.6 178.56,59.75 MUXB7.10
/ANA_71: length 108.5
  Bottom w0.2: MUXB7.11 178.47,60.4 181.88,57 221.13,57 228.18,49.95 228.18,46.48 235.81,38.85 248.14,38.85 263.59,23.4 Cvout71.1 265.63,21.67 266.98,21.67 TMR71.2
/ANA_72: length 119.5
  Bottom w0.2: MUXB7.7 184.2,59.75 186.15,57.8 241.06,57.8 260.41,38.45 267.54,38.45 282.59,23.4 Cvout72.1 284.61,21.69 286,21.69 TMR72.2
/CS0: length 168.8
  Top w0.2: v1(166.42,56.55) 162.51,60.46 v1(162.51,64.52) ; v1(168.46,54.72) 168.52,54.66 168.52,54.51 v1(170.76,52.27) ; v1(203.01,99.61) 203.01,94.59 v1(202.79,94.37) ; v1(172.94,89.49) 176.99,89.49 v1(177.01,89.47) 177.11,89.47 v1(179.34,91.7) ; v1(163.72,76.21) 163.09,76.84 152.48,76.84 150.65,75.01 148.13,75.01 v1(145.81,72.69) ; v1(200.26,111.36) 200.26,107.49 v1(201.82,105.93)
  Bottom w0.2: v1(170.76,52.27) 178.16,52.27 D53.1 ; v1(168.46,54.72) 168.25,54.72 v1(166.42,56.55) ; v1(162.51,64.52) 162.51,70.19 162.94,70.62 ; v1(200.26,111.36) 175.98,111.36 174.05,109.43 D9.1 ; v1(202.79,94.37) 200.12,91.7 v1(179.34,91.7) ; D38.1 162.95,70.63 162.94,70.62 ; v1(145.81,72.69) 145.4,72.28 LEDDR1.2 ; D24.1 177.17,89.63 v1(177.01,89.47) ; 162.94,70.62 162.94,75.44 164.33,76.83 168.75,76.83 173.78,81.86 173.78,88.04 173.03,88.79 173.03,89.4 v1(172.94,89.49) ; v1(201.82,105.93) 203.01,104.74 v1(203.01,99.61)
/CS1: length 163.9
  Top w0.2: v1(185.21,76.03) 176.12,76.03 v1(175.9,76.25) ; v1(196.83,54.7) 196.83,52.21 v1(196.24,51.62) ; v1(207.63,76.62) 207.63,78.33 v1(210,80.69) ; v1(204.18,94.23) 203.71,94.7 v1(203.71,99.12) ; v1(191.96,110.76) 191.91,110.71 v1(191.91,108.73) ; v1(193.26,72.53) 193.36,72.63 196.93,72.63 v1(197.03,72.52) ; v1(202.52,106.42) 202.52,109.28 v1(201.11,110.69) ; v1(208.96,91.66) 208.96,89.32 v1(210.82,87.46) ; v1(201.19,91.81) 200.65,91.27 v1(200.65,89.58) ; v1(148.34,74.36) 151.04,74.36 152.94,76.26 156.36,76.26 157.06,75.56 165.42,75.56 166.12,76.26 168.99,76.26 v1(169.05,76.2) ; v1(198.68,59.32) 198.13,58.77 v1(198.13,55.49)
  Bottom w0.2: v1(201.19,91.81) 203.61,94.23 v1(204.18,94.23) 206.75,91.66 v1(208.96,91.66) ; v1(200.65,89.58) 200.7,89.63 D25.1 ; v1(196.83,54.7) 197.63,55.5 198.12,55.5 v1(198.13,55.49) ; D54.1 196.25,51.63 v1(196.24,51.62) ; v1(210.82,87.46) 211.43,86.85 211.43,82.13 v1(210,80.69) ; v1(169.05,76.2) 170.8,76.2 170.85,76.25 v1(175.9,76.25) ; LEDDR1.3 145.86,71.88 v1(148.34,74.36) ; v1(201.11,110.69) 192.03,110.69 v1(191.96,110.76) ; v1(202.52,106.42) 203.71,105.23 v1(203.71,99.12) ; v1(197.03,72.52) 196.97,72.58 196.97,75.03 198.56,76.62 v1(207.63,76.62) ; v1(191.91,108.73) 192.95,108.73 D10.1 ; v1(185.21,76.03) 185.21,71.77 186.35,70.63 D39.1 188.3,72.51 188.71,72.92 192.88,72.92 v1(193.26,72.53) 193.2,72.47 193.2,70.52 198.68,65.04 v1(198.68,59.32)